# Altium PCB Ocreeb MK 2 _core _pcb.PcbDoc (part 2 of 2)
Units mm, origin at the board's own origin, x right, y up, seen from the top; angles counter-clockwise.
Board outline 87.2 x 87.2 mm, 2 copper layers (Top, Bottom); 47 components, 38 nets, 290 pads, 62 vias.
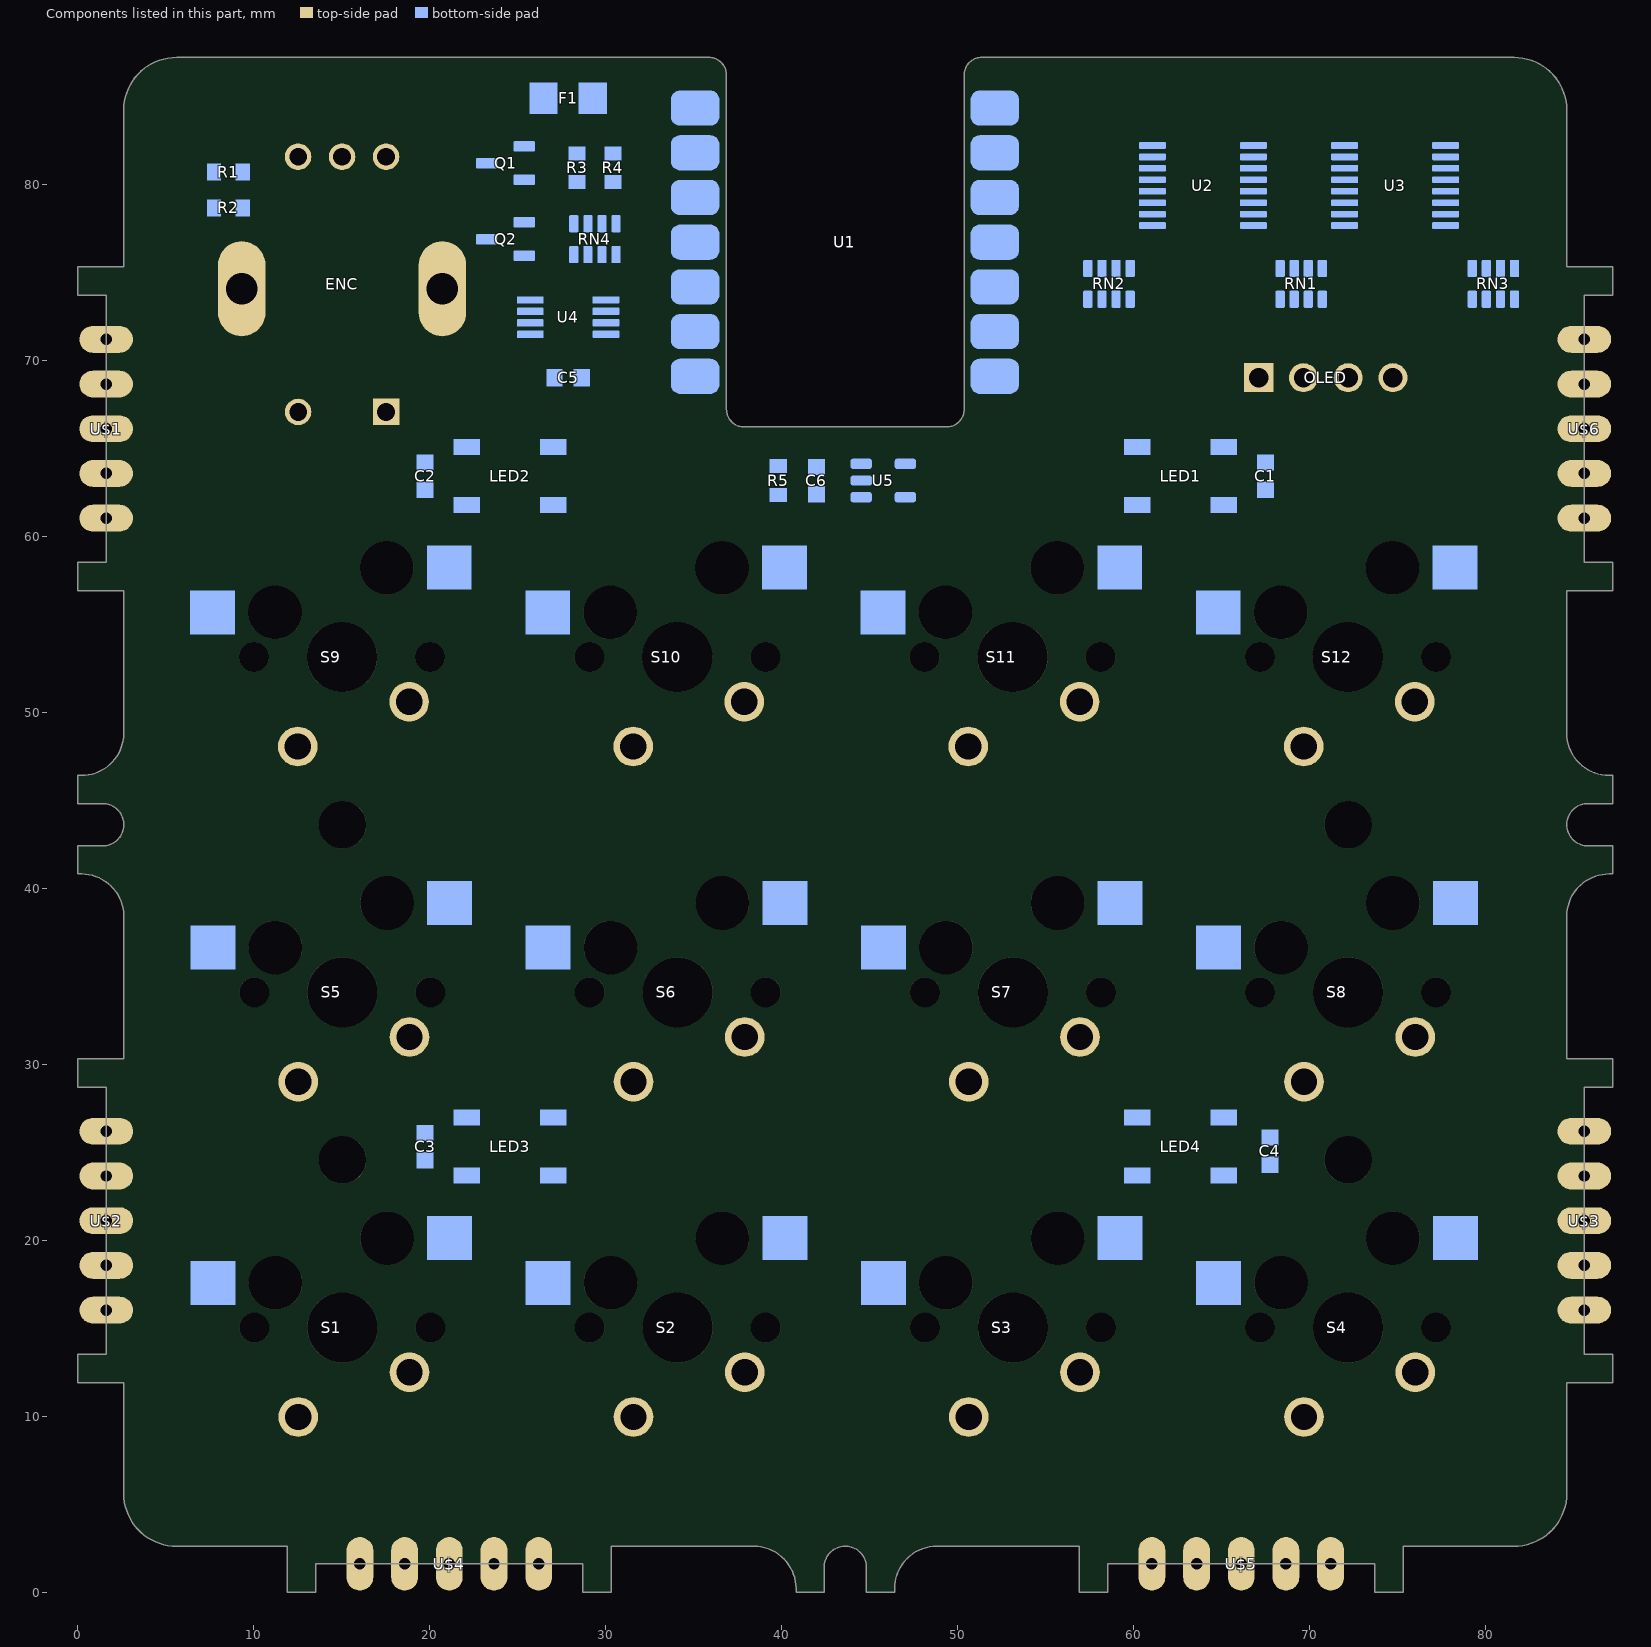
[diagram p2: the components of this part, seen from the top]

## Polygon pours and split planes (outlines as drawn) (continued)
no net on bPlace "Polygon_69_NoNet" (solid, pour order 5): 65.87,4.526 66.067,4.526 66.067,4.818 65.782,4.818 65.782,4.622 65.784,4.592 65.796,4.565 65.814,4.545 65.84,4.53
no net on bPlace "Polygon_68_NoNet" (solid, pour order 63): 77 vertices, not listed, extent 60.771,4.629 61.16,4.973
no net on bPlace "Polygon_67_NoNet" (solid, pour order 24): 60.79,3.601 61.005,3.601 61.005,3.894 60.702,3.894 60.702,3.699 60.704,3.671 60.715,3.641 60.736,3.62 60.76,3.606
no net on bPlace "Polygon_66_NoNet" (solid, pour order 150): 86 vertices, not listed, extent 65.913,3.483 66.371,4.009
no net on bPlace "Polygon_65_NoNet" (solid, pour order 111): 77 vertices, not listed, extent 65.773,3.539 66.222,3.96
no net on bPlace "Polygon_64_NoNet" (solid, pour order 50): 66.068,4.526 66.302,4.526 66.331,4.528 66.358,4.541 66.378,4.561 66.392,4.587 66.395,4.617 66.395,4.818 66.068,4.818
no net on bPlace "Polygon_63_NoNet" (solid, pour order 36): 61.005,3.893 61.005,3.601 61.239,3.602 61.269,3.611 61.291,3.629 61.307,3.651 61.315,3.679 61.316,3.894
no net on bPlace "Polygon_62_NoNet" (solid, pour order 88): 61 vertices, not listed, extent 60.853,4.37 61.252,4.71
no net on bPlace "Polygon_61_NoNet" (solid, pour order 261): 797 vertices, not listed, extent 60.915,1.59 63.545,6.536
no net on bPlace "Polygon_60_NoNet" (solid, pour order 180): 114 vertices, not listed, extent 60.849,5.294 61.469,5.898
no net on bPlace "Polygon_59_NoNet" (solid, pour order 263): 813 vertices, not listed, extent 63.545,1.59 66.067,6.536
no net on bPlace "Polygon_58_NoNet" (solid, pour order 277): 708 vertices, not listed, extent 66.067,1.59 68.729,6.536
no net on bPlace "Polygon_57_NoNet" (solid, pour order 295): 416 vertices, not listed, extent 68.527,1.59 71.165,6.536
no net on bPlace "Polygon_56_NoNet" (solid, pour order 239): 248 vertices, not listed, extent 71.165,1.59 72.336,6.536
no net on bPlace "Polygon_55_NoNet" (solid, pour order 125): 78 vertices, not listed, extent 71.01,4.453 71.487,4.885
no net on bPlace "Polygon_54_NoNet" (solid, pour order 92): 83 vertices, not listed, extent 70.992,5.331 71.32,5.753
no net on bPlace "Polygon_53_NoNet" (solid, pour order 232): 380 vertices, not listed, extent 59.834,1.59 61.105,6.536
no net on bPlace "Polygon_52_NoNet" (solid, pour order 6): 20.895,4.526 21.092,4.526 21.092,4.818 20.807,4.818 20.807,4.622 20.809,4.592 20.821,4.565 20.839,4.545 20.865,4.53
no net on bPlace "Polygon_51_NoNet" (solid, pour order 61): 77 vertices, not listed, extent 15.797,4.629 16.185,4.973
no net on bPlace "Polygon_50_NoNet" (solid, pour order 23): 15.815,3.601 16.03,3.601 16.03,3.894 15.727,3.894 15.727,3.699 15.729,3.669 15.741,3.641 15.759,3.621 15.785,3.606
no net on bPlace "Polygon_49_NoNet" (solid, pour order 151): 85 vertices, not listed, extent 20.938,3.483 21.396,4.009
no net on bPlace "Polygon_48_NoNet" (solid, pour order 110): 77 vertices, not listed, extent 20.798,3.539 21.247,3.96
no net on bPlace "Polygon_47_NoNet" (solid, pour order 51): 21.093,4.526 21.327,4.526 21.356,4.528 21.383,4.541 21.403,4.561 21.417,4.586 21.421,4.616 21.421,4.818 21.093,4.818
no net on bPlace "Polygon_46_NoNet" (solid, pour order 35): 16.03,3.893 16.03,3.601 16.264,3.602 16.294,3.611 16.316,3.629 16.332,3.651 16.34,3.679 16.341,3.894
no net on bPlace "Polygon_45_NoNet" (solid, pour order 86): 61 vertices, not listed, extent 15.878,4.37 16.277,4.709
no net on bPlace "Polygon_44_NoNet" (solid, pour order 260): 797 vertices, not listed, extent 15.94,1.59 18.57,6.536
no net on bPlace "Polygon_43_NoNet" (solid, pour order 179): 115 vertices, not listed, extent 15.874,5.294 16.494,5.898
no net on bPlace "Polygon_42_NoNet" (solid, pour order 264): 813 vertices, not listed, extent 18.57,1.59 21.092,6.536
no net on bPlace "Polygon_41_NoNet" (solid, pour order 276): 707 vertices, not listed, extent 21.092,1.59 23.754,6.536
no net on bPlace "Polygon_40_NoNet" (solid, pour order 297): 416 vertices, not listed, extent 23.552,1.59 26.19,6.536
no net on bPlace "Polygon_39_NoNet" (solid, pour order 240): 246 vertices, not listed, extent 26.19,1.59 27.361,6.536
no net on bPlace "Polygon_38_NoNet" (solid, pour order 126): 78 vertices, not listed, extent 26.035,4.453 26.513,4.885
no net on bPlace "Polygon_37_NoNet" (solid, pour order 91): 83 vertices, not listed, extent 26.018,5.331 26.346,5.753
no net on bPlace "Polygon_36_NoNet" (solid, pour order 233): 381 vertices, not listed, extent 14.859,1.59 16.13,6.536
no net on bPlace "Polygon_35_NoNet" (solid, pour order 8): 4.533,21.117 4.826,21.117 4.826,21.403 4.63,21.403 4.601,21.401 4.574,21.389 4.551,21.369 4.538,21.343 4.533,21.315
no net on bPlace "Polygon_34_NoNet" (solid, pour order 59): 77 vertices, not listed, extent 4.638,26.026 4.981,26.413
no net on bPlace "Polygon_33_NoNet" (solid, pour order 22): 3.609,26.18 3.902,26.18 3.902,26.483 3.707,26.483 3.678,26.481 3.65,26.47 3.627,26.449 3.614,26.423 3.609,26.395
no net on bPlace "Polygon_32_NoNet" (solid, pour order 149): 86 vertices, not listed, extent 3.491,20.814 4.017,21.273
no net on bPlace "Polygon_31_NoNet" (solid, pour order 109): 77 vertices, not listed, extent 3.547,20.962 3.967,21.411
no net on bPlace "Polygon_30_NoNet" (solid, pour order 52): 4.625,20.789 4.826,20.789 4.826,21.117 4.533,21.117 4.533,20.882 4.537,20.853 4.549,20.827 4.57,20.806 4.595,20.793
no net on bPlace "Polygon_29_NoNet" (solid, pour order 37): 3.687,25.87 3.902,25.869 3.901,26.18 3.609,26.18 3.61,25.946 3.618,25.92 3.634,25.894 3.661,25.877
no net on bPlace "Polygon_28_NoNet" (solid, pour order 82): 61 vertices, not listed, extent 4.379,25.934 4.717,26.333
no net on bPlace "Polygon_27_NoNet" (solid, pour order 258): 797 vertices, not listed, extent 1.598,23.64 6.544,26.27
no net on bPlace "Polygon_26_NoNet" (solid, pour order 177): 114 vertices, not listed, extent 5.302,25.716 5.906,26.335
no net on bPlace "Polygon_25_NoNet" (solid, pour order 267): 813 vertices, not listed, extent 1.598,21.117 6.544,23.64
no net on bPlace "Polygon_24_NoNet" (solid, pour order 278): 707 vertices, not listed, extent 1.598,18.457 6.544,21.117
no net on bPlace "Polygon_23_NoNet" (solid, pour order 296): 415 vertices, not listed, extent 1.598,16.02 6.544,18.656
no net on bPlace "Polygon_22_NoNet" (solid, pour order 238): 247 vertices, not listed, extent 1.598,14.849 6.544,16.02
no net on bPlace "Polygon_21_NoNet" (solid, pour order 123): 78 vertices, not listed, extent 4.46,15.698 4.894,16.175
no net on bPlace "Polygon_20_NoNet" (solid, pour order 93): 83 vertices, not listed, extent 5.339,15.865 5.76,16.193
no net on bPlace "Polygon_19_NoNet" (solid, pour order 230): 380 vertices, not listed, extent 1.598,26.08 6.544,27.351
no net on bPlace "Polygon_18_NoNet" (solid, pour order 7): 4.533,66.118 4.826,66.118 4.826,66.403 4.63,66.403 4.6,66.401 4.576,66.39 4.552,66.371 4.538,66.344 4.533,66.316
no net on bPlace "Polygon_17_NoNet" (solid, pour order 57): 77 vertices, not listed, extent 4.638,71.026 4.981,71.413
no net on bPlace "Polygon_16_NoNet" (solid, pour order 21): 3.609,71.18 3.902,71.18 3.902,71.483 3.707,71.483 3.676,71.481 3.651,71.47 3.628,71.451 3.614,71.423 3.609,71.395
no net on bPlace "Polygon_15_NoNet" (solid, pour order 148): 86 vertices, not listed, extent 3.491,65.814 4.017,66.273
no net on bPlace "Polygon_14_NoNet" (solid, pour order 112): 77 vertices, not listed, extent 3.547,65.963 3.967,66.412
no net on bPlace "Polygon_13_NoNet" (solid, pour order 53): 4.625,65.79 4.826,65.79 4.826,66.117 4.533,66.118 4.533,65.882 4.537,65.855 4.548,65.828 4.57,65.806 4.595,65.793
no net on bPlace "Polygon_12_NoNet" (solid, pour order 39): 3.686,70.87 3.902,70.87 3.901,71.18 3.609,71.18 3.61,70.946 3.618,70.919 3.636,70.894 3.66,70.878
no net on bPlace "Polygon_11_NoNet" (solid, pour order 83): 61 vertices, not listed, extent 4.379,70.933 4.717,71.333
no net on bPlace "Polygon_10_NoNet" (solid, pour order 259): 797 vertices, not listed, extent 1.598,68.64 6.544,71.271
no net on bPlace "Polygon_9_NoNet" (solid, pour order 178): 114 vertices, not listed, extent 5.302,70.716 5.906,71.335
no net on bPlace "Polygon_8_NoNet" (solid, pour order 262): 814 vertices, not listed, extent 1.598,66.118 6.544,68.64
no net on bPlace "Polygon_7_NoNet" (solid, pour order 279): 707 vertices, not listed, extent 1.598,63.457 6.544,66.118
no net on bPlace "Polygon_6_NoNet" (solid, pour order 294): 415 vertices, not listed, extent 1.598,61.02 6.544,63.657
no net on bPlace "Polygon_5_NoNet" (solid, pour order 241): 247 vertices, not listed, extent 1.598,59.849 6.544,61.02
no net on bPlace "Polygon_4_NoNet" (solid, pour order 124): 78 vertices, not listed, extent 4.461,60.698 4.894,61.175
no net on bPlace "Polygon_3_NoNet" (solid, pour order 90): 83 vertices, not listed, extent 5.339,60.864 5.76,61.193
no net on bPlace "Polygon_2_NoNet" (solid, pour order 231): 382 vertices, not listed, extent 1.598,71.08 6.544,72.351
no net on bPlace "Polygon_1_NoNet" (solid, pour order 185): 74 vertices, not listed, extent 38.074,46.798 39.252,47.139
GND on Top "Polygon_2_Net_GND" (solid, remove dead copper, pour order 302): -1.358,-0.596 87.796,-0.596 87.796,89.066 -1.358,89.066
no net on tPlace "Polygon_301_NoNet" (solid, pour order 116): 83 vertices, not listed, extent 5.388,20.932 5.818,21.405
no net on tPlace "Polygon_300_NoNet" (solid, pour order 145): 86 vertices, not listed, extent 5.332,20.803 5.864,21.242
no net on tPlace "Polygon_299_NoNet" (solid, pour order 31): 4.528,21.087 4.821,21.087 4.821,21.306 4.817,21.333 4.804,21.361 4.782,21.379 4.759,21.391 4.727,21.394 4.528,21.394
no net on tPlace "Polygon_298_NoNet" (solid, pour order 28): 4.528,21.087 4.528,20.78 4.741,20.78 4.77,20.787 4.793,20.804 4.811,20.826 4.82,20.855 4.821,21.087
no net on tPlace "Polygon_297_NoNet" (solid, pour order 30): 5.453,26.167 5.745,26.167 5.745,26.386 5.741,26.413 5.728,26.441 5.706,26.46 5.682,26.471 5.652,26.474 5.453,26.474
no net on tPlace "Polygon_296_NoNet" (solid, pour order 26): 5.453,26.167 5.453,25.86 5.665,25.86 5.694,25.867 5.718,25.884 5.735,25.906 5.744,25.935 5.745,26.167
no net on tPlace "Polygon_295_NoNet" (solid, pour order 113): 83 vertices, not listed, extent 5.388,15.685 5.818,16.159
no net on tPlace "Polygon_294_NoNet" (solid, pour order 105): 83 vertices, not listed, extent 4.516,15.848 4.948,16.182
no net on tPlace "Polygon_293_NoNet" (solid, pour order 246): 243 vertices, not listed, extent 1.579,14.828 6.514,16.003
no net on tPlace "Polygon_292_NoNet" (solid, pour order 66): 65 vertices, not listed, extent 4.64,18.303 4.976,18.697
no net on tPlace "Polygon_291_NoNet" (solid, pour order 79): 77 vertices, not listed, extent 4.375,18.39 4.72,18.782
no net on tPlace "Polygon_290_NoNet" (solid, pour order 292): 434 vertices, not listed, extent 1.579,16.003 6.514,18.643
no net on tPlace "Polygon_289_NoNet" (solid, pour order 266): 698 vertices, not listed, extent 1.579,18.451 6.514,21.087
no net on tPlace "Polygon_288_NoNet" (solid, pour order 272): 814 vertices, not listed, extent 1.579,21.086 6.514,23.627
no net on tPlace "Polygon_287_NoNet" (solid, pour order 77): 64 vertices, not listed, extent 4.638,25.924 4.977,26.321
no net on tPlace "Polygon_286_NoNet" (solid, pour order 72): 76 vertices, not listed, extent 4.374,26.014 4.72,26.403
no net on tPlace "Polygon_285_NoNet" (solid, pour order 176): 115 vertices, not listed, extent 3.452,25.706 4.056,26.322
no net on tPlace "Polygon_284_NoNet" (solid, pour order 256): 790 vertices, not listed, extent 1.579,23.627 6.514,26.267
no net on tPlace "Polygon_283_NoNet" (solid, pour order 222): 384 vertices, not listed, extent 1.579,26.076 6.514,27.331
no net on tPlace "Polygon_282_NoNet" (solid, pour order 115): 83 vertices, not listed, extent 5.404,65.952 5.833,66.425
no net on tPlace "Polygon_281_NoNet" (solid, pour order 146): 86 vertices, not listed, extent 5.355,65.823 5.88,66.262
no net on tPlace "Polygon_280_NoNet" (solid, pour order 33): 4.544,66.107 4.837,66.107 4.837,66.325 4.832,66.355 4.819,66.38 4.8,66.399 4.773,66.411 4.743,66.414 4.544,66.414
no net on tPlace "Polygon_279_NoNet" (solid, pour order 29): 4.544,66.107 4.544,65.8 4.757,65.801 4.784,65.808 4.81,65.824 4.827,65.849 4.836,65.875 4.837,66.107
no net on tPlace "Polygon_278_NoNet" (solid, pour order 32): 5.468,71.187 5.761,71.187 5.761,71.405 5.757,71.435 5.743,71.46 5.725,71.479 5.697,71.491 5.667,71.494 5.468,71.494
no net on tPlace "Polygon_277_NoNet" (solid, pour order 27): 5.468,71.187 5.468,70.88 5.681,70.881 5.71,70.888 5.733,70.904 5.751,70.926 5.76,70.955 5.761,71.187
no net on tPlace "Polygon_276_NoNet" (solid, pour order 114): 83 vertices, not listed, extent 5.404,60.706 5.833,61.179
no net on tPlace "Polygon_275_NoNet" (solid, pour order 104): 83 vertices, not listed, extent 4.531,60.869 4.964,61.203
no net on tPlace "Polygon_274_NoNet" (solid, pour order 247): 243 vertices, not listed, extent 1.595,59.849 6.53,61.023
no net on tPlace "Polygon_273_NoNet" (solid, pour order 67): 65 vertices, not listed, extent 4.655,63.324 4.992,63.717
no net on tPlace "Polygon_272_NoNet" (solid, pour order 78): 77 vertices, not listed, extent 4.391,63.411 4.736,63.802
no net on tPlace "Polygon_271_NoNet" (solid, pour order 293): 434 vertices, not listed, extent 1.595,61.023 6.53,63.663
no net on tPlace "Polygon_270_NoNet" (solid, pour order 265): 698 vertices, not listed, extent 1.595,63.472 6.53,66.107
no net on tPlace "Polygon_269_NoNet" (solid, pour order 273): 814 vertices, not listed, extent 1.595,66.107 6.53,68.647
no net on tPlace "Polygon_268_NoNet" (solid, pour order 76): 64 vertices, not listed, extent 4.653,70.945 4.992,71.342
no net on tPlace "Polygon_267_NoNet" (solid, pour order 65): 77 vertices, not listed, extent 4.39,71.034 4.736,71.424
no net on tPlace "Polygon_266_NoNet" (solid, pour order 175): 118 vertices, not listed, extent 3.468,70.726 4.071,71.343
no net on tPlace "Polygon_265_NoNet" (solid, pour order 257): 790 vertices, not listed, extent 1.595,68.647 6.53,71.287
no net on tPlace "Polygon_264_NoNet" (solid, pour order 223): 383 vertices, not listed, extent 1.595,71.097 6.53,72.351
no net on tPlace "Polygon_263_NoNet" (solid, pour order 55): 63.617,69.067 63.617,68.724 63.833,68.725 63.861,68.733 63.885,68.75 63.903,68.773 63.912,68.801 63.913,69.067
no net on tPlace "Polygon_262_NoNet" (solid, pour order 4): 63.617,69.067 63.913,69.067 63.913,69.254 63.908,69.283 63.895,69.309 63.875,69.329 63.849,69.342 63.819,69.346 63.617,69.346
no net on tPlace "Polygon_261_NoNet" (solid, pour order 54): 60.889,68.726 60.918,68.725 61.037,68.725 61.064,68.735 61.088,68.751 61.103,68.775 61.111,68.802 61.112,69.067 60.815,69.067 60.816,68.806 60.823,68.778 60.838,68.754 60.862,68.735
no net on tPlace "Polygon_260_NoNet" (solid, pour order 3): 60.815,69.067 61.112,69.067 61.112,69.254 61.108,69.282 61.096,69.308 61.076,69.328 61.05,69.342 61.02,69.346 60.905,69.346 60.878,69.341 60.85,69.327 60.831,69.305 60.819,69.281 60.815,69.251
no net on tPlace "Polygon_259_NoNet" (solid, pour order 300): 458 vertices, not listed, extent 59.672,67.571 76.673,69.067
no net on tPlace "Polygon_258_NoNet" (solid, pour order 299): 455 vertices, not listed, extent 59.672,69.067 76.673,70.492
no net on tPlace "Polygon_257_NoNet" (solid, pour order 75): 74.281,66.283 74.799,66.283 74.799,66.491 74.281,66.492
no net on tPlace "Polygon_256_NoNet" (solid, pour order 153): 28 vertices, not listed, extent 74.8,66.284 75.318,66.992
no net on tPlace "Polygon_255_NoNet" (solid, pour order 154): 92 vertices, not listed, extent 74.281,65.349 74.8,66.061
no net on tPlace "Polygon_254_NoNet" (solid, pour order 155): 92 vertices, not listed, extent 74.8,65.349 75.318,66.061
no net on tPlace "Polygon_253_NoNet" (solid, pour order 161): 117 vertices, not listed, extent 74.8,64.412 75.318,65.126
no net on tPlace "Polygon_252_NoNet" (solid, pour order 163): 124 vertices, not listed, extent 74.281,64.432 74.8,65.124
no net on tPlace "Polygon_251_NoNet" (solid, pour order 137): 36 vertices, not listed, extent 71.699,66.354 72.217,66.922
no net on tPlace "Polygon_250_NoNet" (solid, pour order 172): 90 vertices, not listed, extent 72.217,66.284 72.736,66.992
no net on tPlace "Polygon_249_NoNet" (solid, pour order 167): 74 vertices, not listed, extent 72.217,65.349 72.736,66.061
no net on tPlace "Polygon_248_NoNet" (solid, pour order 168): 75 vertices, not listed, extent 71.699,65.349 72.217,66.061
no net on tPlace "Polygon_247_NoNet" (solid, pour order 164): 124 vertices, not listed, extent 71.699,64.432 72.217,65.124
no net on tPlace "Polygon_246_NoNet" (solid, pour order 160): 116 vertices, not listed, extent 72.217,64.412 72.736,65.126
no net on tPlace "Polygon_245_NoNet" (solid, pour order 157): 111 vertices, not listed, extent 69.116,66.185 69.635,66.904
no net on tPlace "Polygon_244_NoNet" (solid, pour order 156): 111 vertices, not listed, extent 69.635,66.187 70.154,66.904
no net on tPlace "Polygon_243_NoNet" (solid, pour order 89): 69.404,65.793 69.635,65.708 69.635,65.931 69.442,66.001 69.116,66.001 69.116,65.793 69.403,65.793 69.404,65.793
no net on tPlace "Polygon_242_NoNet" (solid, pour order 136): 37 vertices, not listed, extent 69.635,65.363 70.154,65.931
no net on tPlace "Polygon_241_NoNet" (solid, pour order 80): 17 vertices, not listed, extent 69.116,65.292 69.635,65.581
no net on tPlace "Polygon_240_NoNet" (solid, pour order 159): 109 vertices, not listed, extent 69.116,64.375 69.635,65.098
no net on tPlace "Polygon_239_NoNet" (solid, pour order 158): 111 vertices, not listed, extent 69.635,64.376 70.154,65.098
no net on tPlace "Polygon_238_NoNet" (solid, pour order 165): 75 vertices, not listed, extent 67.113,66.284 67.631,66.992
no net on tPlace "Polygon_237_NoNet" (solid, pour order 166): 70 vertices, not listed, extent 66.594,66.284 67.113,66.992
no net on tPlace "Polygon_236_NoNet" (solid, pour order 73): 66.594,65.853 67.112,65.853 67.112,66.061 66.594,66.061
no net on tPlace "Polygon_235_NoNet" (solid, pour order 135): 28 vertices, not listed, extent 67.113,65.596 67.631,66.061
no net on tPlace "Polygon_234_NoNet" (solid, pour order 144): 40 vertices, not listed, extent 66.594,65.349 67.113,65.814
no net on tPlace "Polygon_233_NoNet" (solid, pour order 74): 67.112,65.349 67.631,65.349 67.631,65.556 67.112,65.557
no net on tPlace "Polygon_232_NoNet" (solid, pour order 152): 92 vertices, not listed, extent 66.594,64.417 67.113,65.126
no net on tPlace "Polygon_231_NoNet" (solid, pour order 169): 121 vertices, not listed, extent 67.113,64.417 67.631,65.126
no net on tPlace "Polygon_230_NoNet" (solid, pour order 162): 53 vertices, not listed, extent 66.912,64.587 67.266,65.28
no net on tPlace "Polygon_229_NoNet" (solid, pour order 134): 87 vertices, not listed, extent 77.793,79.712 78.27,80.167
no net on tPlace "Polygon_228_NoNet" (solid, pour order 56): 80 vertices, not listed, extent 76.631,79.803 76.996,80.165
no net on tPlace "Polygon_227_NoNet" (solid, pour order 248): 329 vertices, not listed, extent 75.614,78.435 80.665,80.027
no net on tPlace "Polygon_226_NoNet" (solid, pour order 216): 394 vertices, not listed, extent 75.614,79.945 80.665,81.001
no net on tPlace "Polygon_225_NoNet" (solid, pour order 205): 237 vertices, not listed, extent 72.219,80.011 74.636,82.124
no net on tPlace "Polygon_224_NoNet" (solid, pour order 209): 264 vertices, not listed, extent 72.219,78.359 74.651,80.012
no net on tPlace "Polygon_223_NoNet" (solid, pour order 200): 207 vertices, not listed, extent 69.136,80.011 71.556,81.061
no net on tPlace "Polygon_222_NoNet" (solid, pour order 207): 265 vertices, not listed, extent 69.119,78.359 71.572,80.011
no net on tPlace "Polygon_221_NoNet" (solid, pour order 199): 207 vertices, not listed, extent 66.129,80.011 68.549,81.061
no net on tPlace "Polygon_220_NoNet" (solid, pour order 208): 260 vertices, not listed, extent 66.112,78.359 68.567,80.011
no net on tPlace "Polygon_219_NoNet" (solid, pour order 196): 71 vertices, not listed, extent 63.216,80.011 64.711,81.003
no net on tPlace "Polygon_218_NoNet" (solid, pour order 203): 66 vertices, not listed, extent 63.216,78.419 65.394,80.011
no net on tPlace "Polygon_217_NoNet" (solid, pour order 198): 189 vertices, not listed, extent 60.269,80.011 62.551,81.061
no net on tPlace "Polygon_216_NoNet" (solid, pour order 202): 194 vertices, not listed, extent 60.247,78.359 62.591,80.011
no net on tPlace "Polygon_215_NoNet" (solid, pour order 201): 209 vertices, not listed, extent 57.174,80.011 59.657,81.061
no net on tPlace "Polygon_214_NoNet" (solid, pour order 204): 274 vertices, not listed, extent 57.156,78.359 59.68,80.012
no net on tPlace "Polygon_213_NoNet" (solid, pour order 118): 78 vertices, not listed, extent 25.87,4.562 26.346,4.99
no net on tPlace "Polygon_212_NoNet" (solid, pour order 142): 78 vertices, not listed, extent 20.827,3.592 21.26,4.117
no net on tPlace "Polygon_211_NoNet" (solid, pour order 14): 20.899,4.635 21.104,4.635 21.104,4.928 20.804,4.928 20.804,4.726 20.808,4.695 20.823,4.668 20.842,4.651 20.867,4.638
no net on tPlace "Polygon_210_NoNet" (solid, pour order 38): 15.8,3.711 16.035,3.71 16.035,4.003 15.724,4.004 15.725,3.789 15.732,3.762 15.749,3.735 15.775,3.719
no net on tPlace "Polygon_209_NoNet" (solid, pour order 1): 15.549,5.247 15.87,5.728 16.022,6.093 15.736,5.807
no net on tPlace "Polygon_208_NoNet" (solid, pour order 20): 16.035,3.71 16.25,3.71 16.278,3.715 16.306,3.729 16.324,3.752 16.336,3.777 16.338,3.808 16.338,4.003 16.035,4.003
no net on tPlace "Polygon_207_NoNet" (solid, pour order 131): 83 vertices, not listed, extent 20.949,3.638 21.429,4.07
no net on tPlace "Polygon_206_NoNet" (solid, pour order 49): 21.104,4.635 21.331,4.635 21.358,4.639 21.386,4.652 21.405,4.675 21.416,4.701 21.418,4.731 21.418,4.928 21.104,4.928
no net on tPlace "Polygon_205_NoNet" (solid, pour order 253): 798 vertices, not listed, extent 15.934,1.608 18.575,6.554
no net on tPlace "Polygon_204_NoNet" (solid, pour order 85): 61 vertices, not listed, extent 15.788,4.48 16.187,4.818
no net on tPlace "Polygon_203_NoNet" (solid, pour order 64): 77 vertices, not listed, extent 15.88,4.739 16.269,5.082
no net on tPlace "Polygon_202_NoNet" (solid, pour order 271): 843 vertices, not listed, extent 18.575,1.608 21.104,6.554
no net on tPlace "Polygon_201_NoNet" (solid, pour order 284): 586 vertices, not listed, extent 21.104,1.608 23.749,6.554
no net on tPlace "Polygon_200_NoNet" (solid, pour order 288): 490 vertices, not listed, extent 23.561,1.608 26.191,6.554
no net on tPlace "Polygon_199_NoNet" (solid, pour order 97): 82 vertices, not listed, extent 26.036,5.439 26.368,5.861
no net on tPlace "Polygon_198_NoNet" (solid, pour order 244): 194 vertices, not listed, extent 26.191,1.608 27.366,6.554
no net on tPlace "Polygon_197_NoNet" (solid, pour order 224): 380 vertices, not listed, extent 14.864,1.608 16.126,6.554
no net on tPlace "Polygon_196_NoNet" (solid, pour order 117): 78 vertices, not listed, extent 70.842,4.562 71.318,4.99
no net on tPlace "Polygon_195_NoNet" (solid, pour order 141): 78 vertices, not listed, extent 65.8,3.592 66.232,4.117
no net on tPlace "Polygon_194_NoNet" (solid, pour order 15): 65.871,4.635 66.077,4.635 66.077,4.928 65.777,4.928 65.777,4.726 65.781,4.695 65.795,4.668 65.814,4.651 65.839,4.638
no net on tPlace "Polygon_193_NoNet" (solid, pour order 40): 60.773,3.711 61.007,3.71 61.007,4.003 60.697,4.004 60.697,3.787 60.705,3.761 60.721,3.737 60.746,3.719
no net on tPlace "Polygon_192_NoNet" (solid, pour order 2): 60.522,5.247 60.842,5.728 60.994,6.093 60.708,5.807
no net on tPlace "Polygon_191_NoNet" (solid, pour order 19): 61.007,3.71 61.222,3.71 61.25,3.715 61.279,3.729 61.297,3.752 61.308,3.777 61.311,3.808 61.311,4.003 61.007,4.003
no net on tPlace "Polygon_190_NoNet" (solid, pour order 129): 83 vertices, not listed, extent 65.922,3.638 66.401,4.07
no net on tPlace "Polygon_189_NoNet" (solid, pour order 48): 66.077,4.635 66.303,4.635 66.33,4.639 66.358,4.652 66.377,4.675 66.388,4.701 66.391,4.731 66.391,4.928 66.077,4.928
no net on tPlace "Polygon_188_NoNet" (solid, pour order 254): 798 vertices, not listed, extent 60.906,1.608 63.547,6.554
no net on tPlace "Polygon_187_NoNet" (solid, pour order 84): 61 vertices, not listed, extent 60.76,4.48 61.16,4.818
no net on tPlace "Polygon_186_NoNet" (solid, pour order 58): 77 vertices, not listed, extent 60.853,4.739 61.24,5.082
no net on tPlace "Polygon_185_NoNet" (solid, pour order 269): 843 vertices, not listed, extent 63.547,1.608 66.077,6.554
no net on tPlace "Polygon_184_NoNet" (solid, pour order 285): 586 vertices, not listed, extent 66.077,1.608 68.722,6.554
no net on tPlace "Polygon_183_NoNet" (solid, pour order 287): 489 vertices, not listed, extent 68.533,1.608 71.164,6.554
no net on tPlace "Polygon_182_NoNet" (solid, pour order 95): 82 vertices, not listed, extent 71.008,5.439 71.34,5.861
no net on tPlace "Polygon_181_NoNet" (solid, pour order 245): 194 vertices, not listed, extent 71.164,1.608 72.338,6.554
no net on tPlace "Polygon_180_NoNet" (solid, pour order 225): 378 vertices, not listed, extent 59.836,1.608 61.098,6.554
no net on tPlace "Polygon_179_NoNet" (solid, pour order 120): 78 vertices, not listed, extent 82.218,25.846 82.648,26.322
no net on tPlace "Polygon_178_NoNet" (solid, pour order 143): 79 vertices, not listed, extent 83.093,20.804 83.617,21.236
no net on tPlace "Polygon_177_NoNet" (solid, pour order 13): 82.282,20.781 82.484,20.781 82.513,20.784 82.538,20.797 82.56,20.819 82.572,20.846 82.575,20.874 82.575,21.08 82.282,21.08
no net on tPlace "Polygon_176_NoNet" (solid, pour order 34): 83.207,16.011 83.206,15.701 83.422,15.701 83.45,15.71 83.471,15.725 83.489,15.747 83.498,15.777 83.499,16.011
no net on tPlace "Polygon_175_NoNet" (solid, pour order 102): 82.44,15.366 81.478,15.847 81.092,16.023 81.402,15.712
no net on tPlace "Polygon_174_NoNet" (solid, pour order 25): 83.206,16.011 83.499,16.011 83.499,16.226 83.494,16.257 83.479,16.282 83.459,16.3 83.433,16.312 83.402,16.314 83.206,16.314
no net on tPlace "Polygon_173_NoNet" (solid, pour order 132): 83 vertices, not listed, extent 83.139,20.925 83.572,21.405
no net on tPlace "Polygon_172_NoNet" (solid, pour order 46): 82.282,21.08 82.575,21.08 82.575,21.307 82.57,21.334 82.559,21.358 82.536,21.382 82.507,21.392 82.479,21.394 82.282,21.394
no net on tPlace "Polygon_171_NoNet" (solid, pour order 255): 801 vertices, not listed, extent 80.656,15.91 85.602,18.551
no net on tPlace "Polygon_170_NoNet" (solid, pour order 81): 61 vertices, not listed, extent 82.392,15.764 82.73,16.164
no net on tPlace "Polygon_169_NoNet" (solid, pour order 62): 77 vertices, not listed, extent 82.127,15.857 82.47,16.244
no net on tPlace "Polygon_168_NoNet" (solid, pour order 270): 843 vertices, not listed, extent 80.656,18.551 85.602,21.08
no net on tPlace "Polygon_167_NoNet" (solid, pour order 282): 586 vertices, not listed, extent 80.656,21.08 85.602,23.727
no net on tPlace "Polygon_166_NoNet" (solid, pour order 289): 485 vertices, not listed, extent 80.656,23.538 85.602,26.168
no net on tPlace "Polygon_165_NoNet" (solid, pour order 94): 82 vertices, not listed, extent 81.348,26.012 81.771,26.344
no net on tPlace "Polygon_164_NoNet" (solid, pour order 242): 195 vertices, not listed, extent 80.656,26.168 85.602,27.342
no net on tPlace "Polygon_163_NoNet" (solid, pour order 227): 379 vertices, not listed, extent 80.656,14.84 85.602,16.102
no net on tPlace "Polygon_162_NoNet" (solid, pour order 119): 78 vertices, not listed, extent 82.218,70.855 82.648,71.331
no net on tPlace "Polygon_161_NoNet" (solid, pour order 139): 79 vertices, not listed, extent 83.093,65.813 83.617,66.245
no net on tPlace "Polygon_160_NoNet" (solid, pour order 12): 82.282,65.79 82.484,65.79 82.516,65.794 82.54,65.808 82.559,65.827 82.571,65.854 82.575,65.883 82.575,66.09 82.282,66.09
no net on tPlace "Polygon_159_NoNet" (solid, pour order 41): 83.207,61.02 83.206,60.71 83.422,60.71 83.45,60.719 83.471,60.734 83.489,60.756 83.498,60.786 83.499,61.02
no net on tPlace "Polygon_158_NoNet" (solid, pour order 103): 82.44,60.375 81.478,60.856 81.092,61.032 81.402,60.721
no net on tPlace "Polygon_157_NoNet" (solid, pour order 18): 83.206,61.02 83.499,61.02 83.499,61.235 83.494,61.266 83.479,61.291 83.459,61.309 83.433,61.321 83.402,61.323 83.206,61.323
no net on tPlace "Polygon_156_NoNet" (solid, pour order 130): 83 vertices, not listed, extent 83.139,65.935 83.572,66.414
no net on tPlace "Polygon_155_NoNet" (solid, pour order 47): 82.282,66.09 82.575,66.09 82.575,66.316 82.571,66.343 82.558,66.371 82.532,66.392 82.507,66.401 82.479,66.403 82.282,66.403
no net on tPlace "Polygon_154_NoNet" (solid, pour order 252): 799 vertices, not listed, extent 80.656,60.919 85.602,63.56
no net on tPlace "Polygon_153_NoNet" (solid, pour order 87): 61 vertices, not listed, extent 82.392,60.773 82.73,61.173
no net on tPlace "Polygon_152_NoNet" (solid, pour order 60): 77 vertices, not listed, extent 82.128,60.865 82.47,61.253
no net on tPlace "Polygon_151_NoNet" (solid, pour order 268): 848 vertices, not listed, extent 80.656,63.56 85.602,66.09
no net on tPlace "Polygon_150_NoNet" (solid, pour order 283): 586 vertices, not listed, extent 80.656,66.09 85.602,68.736
no net on tPlace "Polygon_149_NoNet" (solid, pour order 286): 485 vertices, not listed, extent 80.656,68.547 85.602,71.177
no net on tPlace "Polygon_148_NoNet" (solid, pour order 96): 82 vertices, not listed, extent 81.348,71.021 81.771,71.353
no net on tPlace "Polygon_147_NoNet" (solid, pour order 243): 194 vertices, not listed, extent 80.656,71.177 85.602,72.351
no net on tPlace "Polygon_146_NoNet" (solid, pour order 226): 378 vertices, not listed, extent 80.656,59.849 85.602,61.111

## Keep-outs
Keep-Out Layer:
  the board outline again, w0.152

## Silkscreen, mask and mechanical layers (free items; w line width, h text height)
Dimension:
  circle w0.152: c81.6,84.2 r1.2
  circle w0.152: c81.6,5.6 r1.2
  circle w0.152: c5.6,84.2 r1.2
  circle w0.152: c5.6,5.6 r1.2
  lines w0.152: 0,11.905 2.6,11.905 2.6,5.6 ccw(c5.6,5.6) 5.6,2.6 11.905,2.6 11.905,0 13.505,0 13.505,1.6 28.695,1.6 28.695,0 30.295,0 30.295,2.6 38.4,2.6 cw(c38.4,0.2) 40.8,0.2 40.8,0 42.4,0 42.4,1.4 cw(c43.6,1.4) 44.8,1.4 44.8,0 46.4,0 46.4,0.2 cw(c48.8,0.2) 48.8,2.6 56.905,2.6 56.905,0 58.505,0 58.505,1.6 73.695,1.6 73.695,0 75.295,0 75.295,2.6 81.6,2.6 ccw(c81.6,5.6) 84.6,5.6 84.6,11.905 87.2,11.905 87.2,13.505 85.6,13.505 85.6,28.695 87.2,28.695 87.2,30.295 84.6,30.295 84.6,38.4 cw(c87,38.4) 87,40.8 87.2,40.8 87.2,42.4 85.8,42.4 cw(c85.8,43.6) 85.8,44.8 87.2,44.8 87.2,46.4 87,46.4 cw(c87,48.8) 84.6,48.8 84.6,56.905 87.2,56.905 87.2,58.505 85.6,58.505 85.6,73.695 87.2,73.695 87.2,75.295 84.6,75.295 84.6,84.2 ccw(c81.6,84.2) 81.6,87.2 51.35,87.2 ccw(c51.35,86.2) 50.35,86.2 50.35,67.2 cw(c49.35,67.2) 49.35,66.2 37.85,66.2 cw(c37.85,67.2) 36.85,67.2 36.85,86.2 ccw(c35.85,86.2) 35.85,87.2 5.6,87.2 ccw(c5.6,84.2) 2.6,84.2 2.6,75.295 0,75.295 0,73.695 1.6,73.695 1.6,58.505 0,58.505 0,56.905 2.6,56.905 2.6,48.8 cw(c0.2,48.8) 0.2,46.4 0,46.4 0,44.8 1.4,44.8 cw(c1.4,43.6) 1.4,42.4 0,42.4 0,40.8 0.2,40.8 cw(c0.2,38.4) 2.6,38.4 2.6,30.295 0,30.295 0,28.695 1.6,28.695 1.6,13.505 0,13.505 0,11.905 ; 8.405,72.755 10.205,72.755 10.205,75.355 8.405,75.355 8.405,72.755 ; 19.805,72.755 21.605,72.755 21.605,75.355 19.805,75.355 19.805,72.755
tPlace:
  lines w0: 34.71,73.674 34.71,76.112